# Altium PCB PCB2.PcbDoc (part 1 of 2)
Units mil, origin at the board's own origin, x right, y up, seen from the top; angles counter-clockwise.
Board outline 3044 x 3575 mil, 4 copper layers (Top Layer, second layer, Third layer, Bottom Layer), stack 31.458 mil thick; 117 components, 89 nets, 382 pads, 292 vias.
Unrouted connection lines stored in the file: 1.
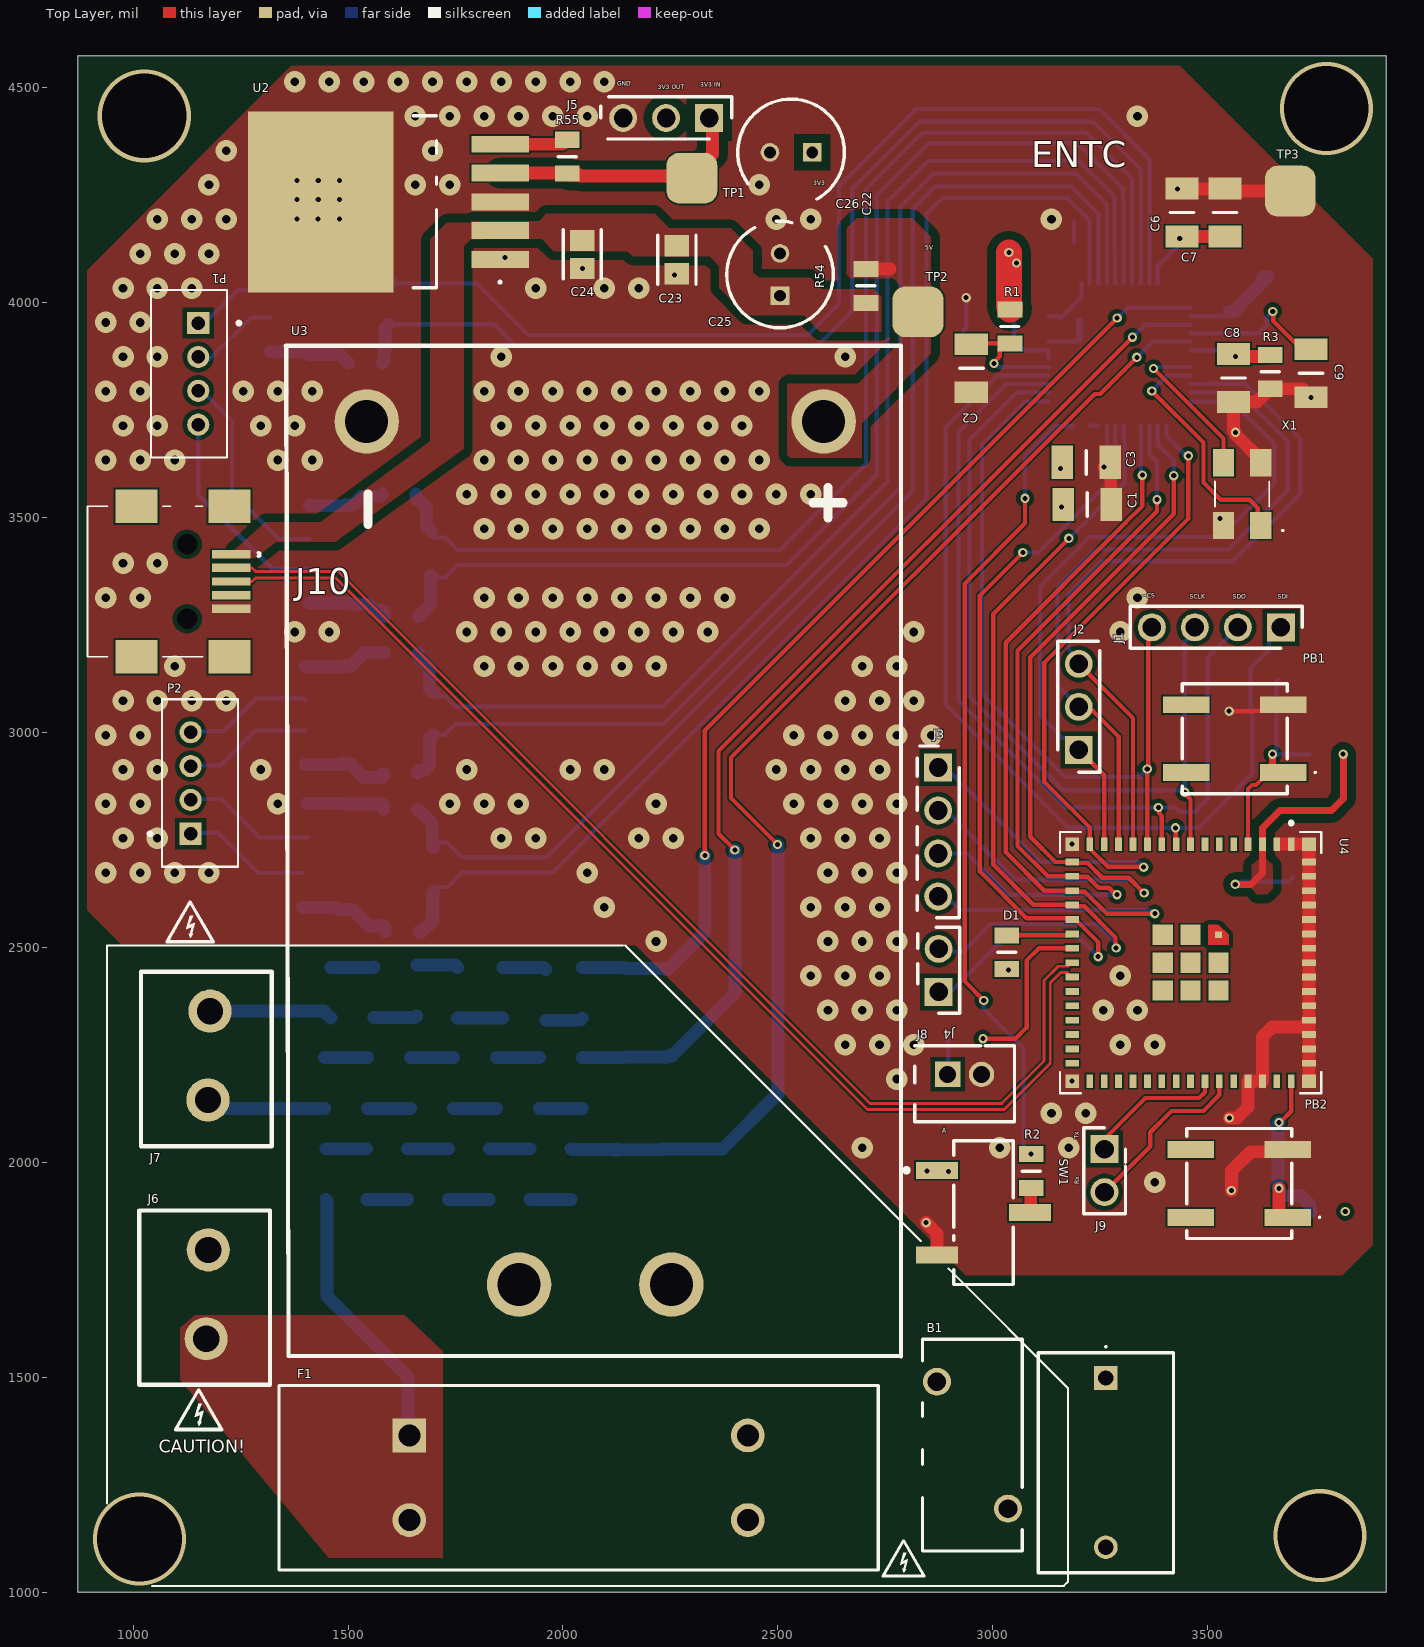
[diagram p0: Top Layer view]
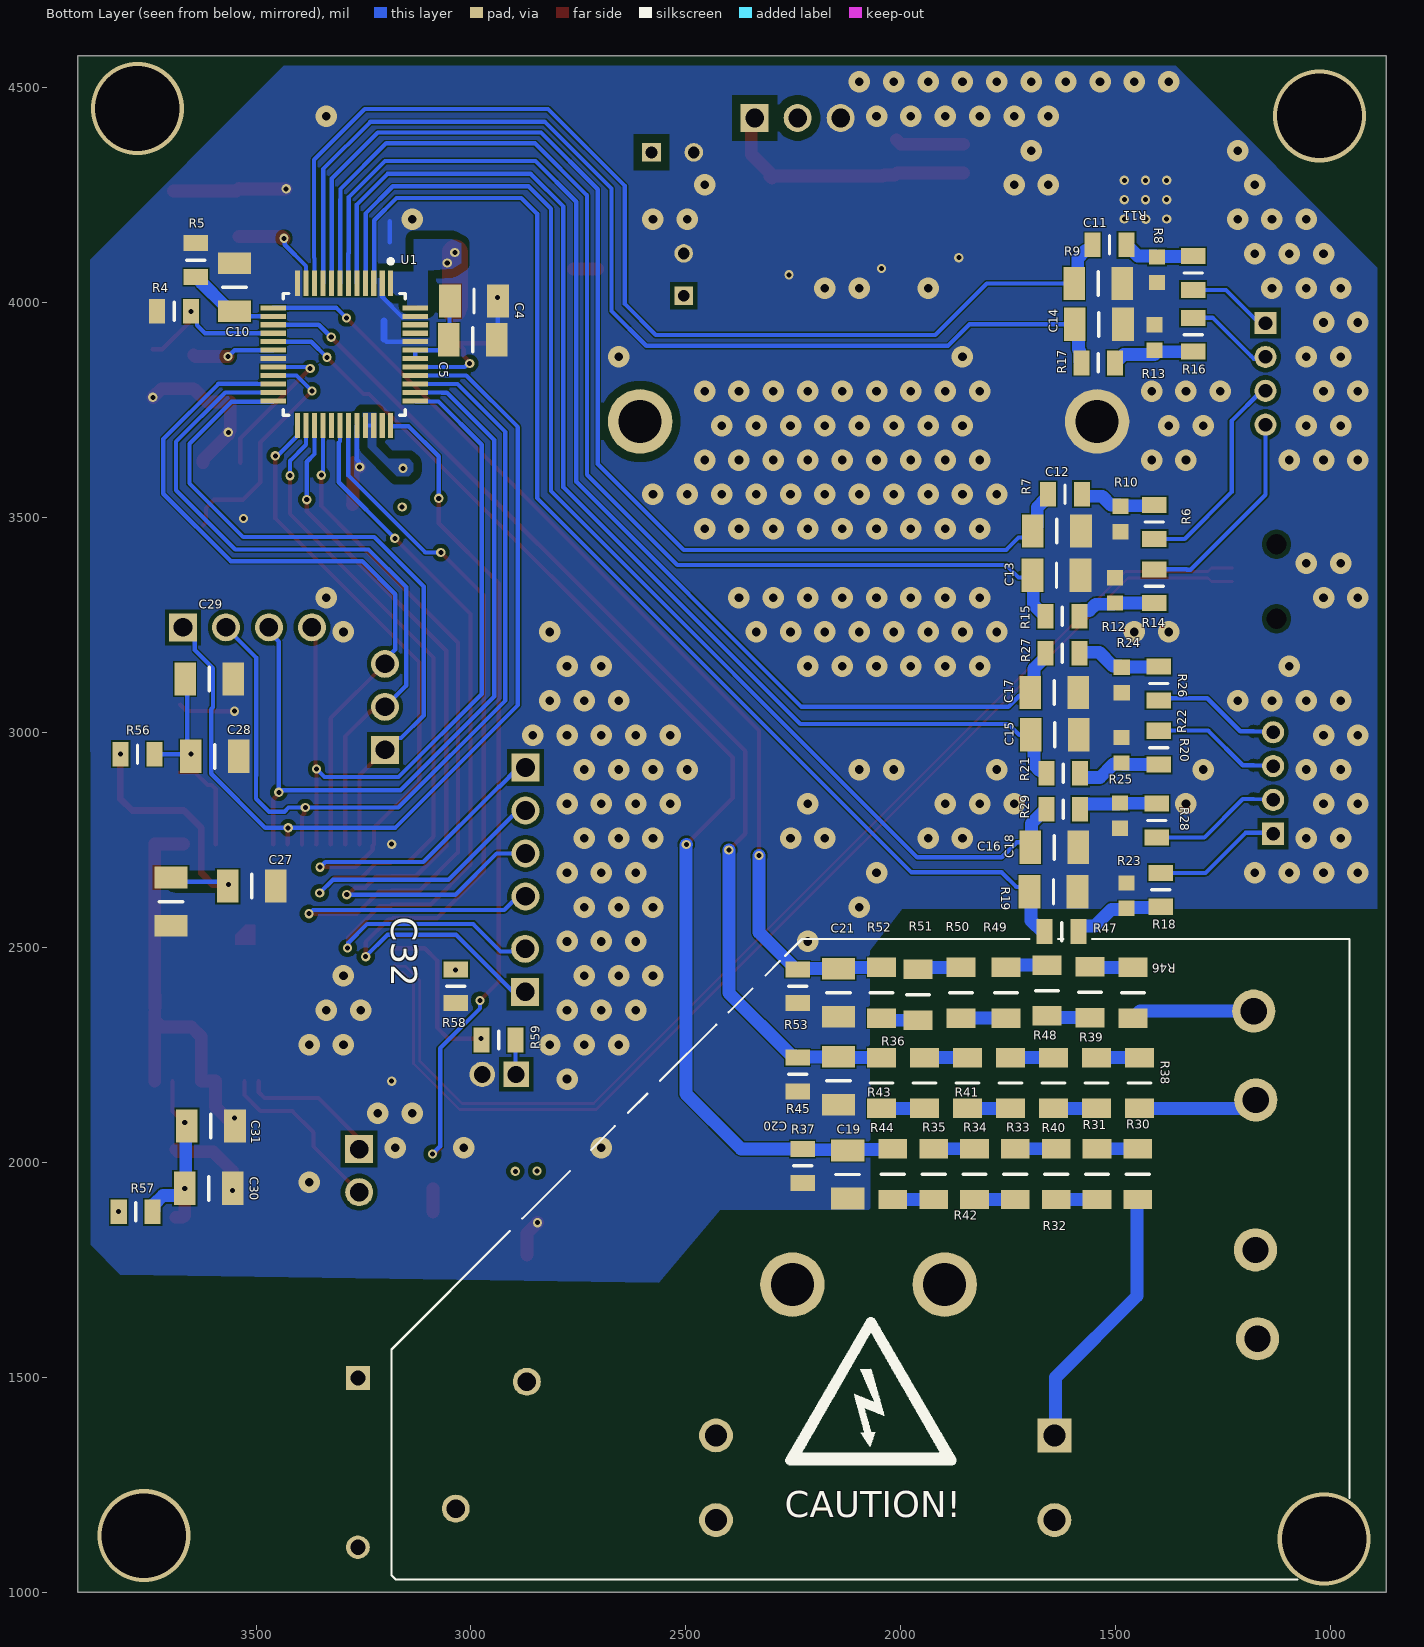
[diagram p1: Bottom Layer view, seen from below]
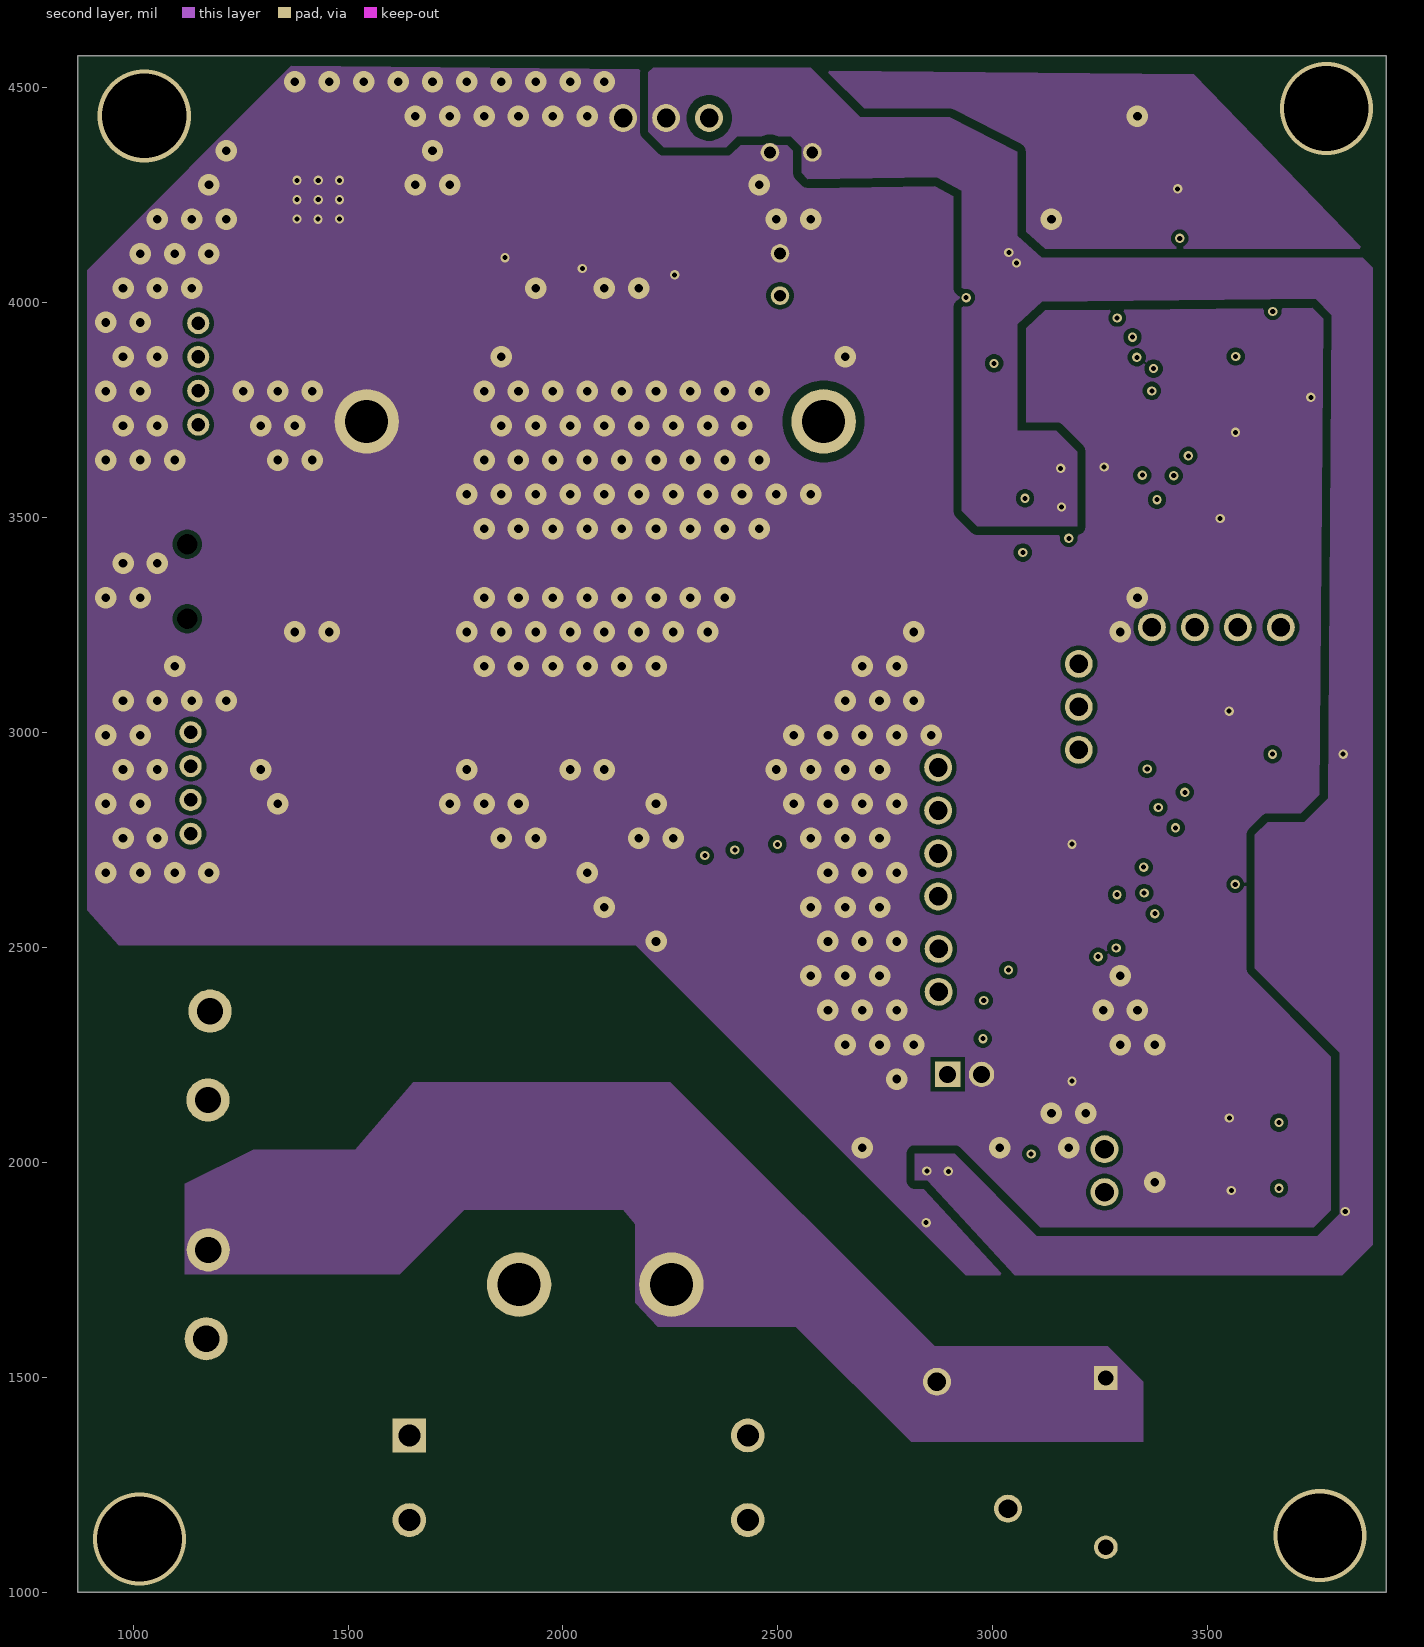
[diagram p2: second layer]
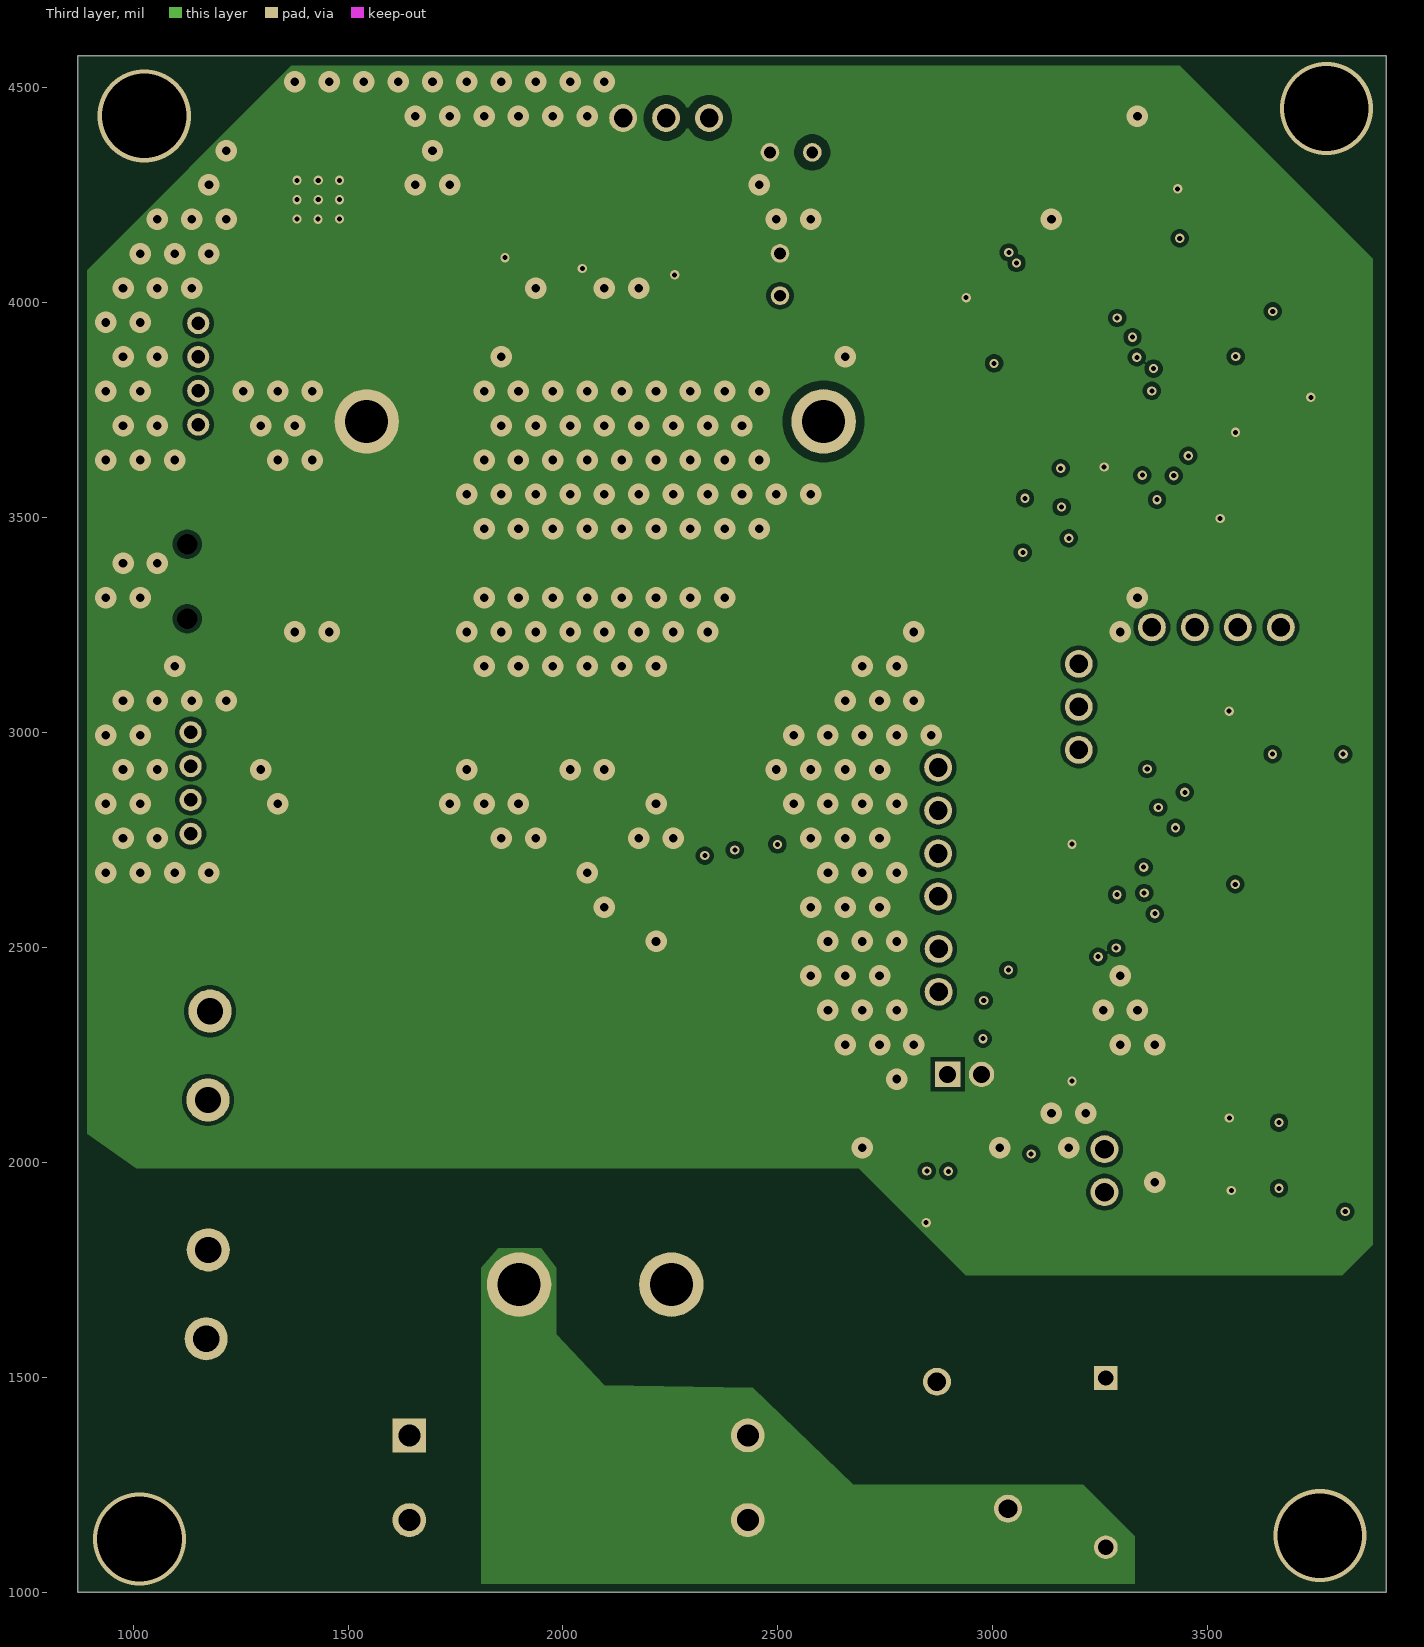
[diagram p3: Third layer]
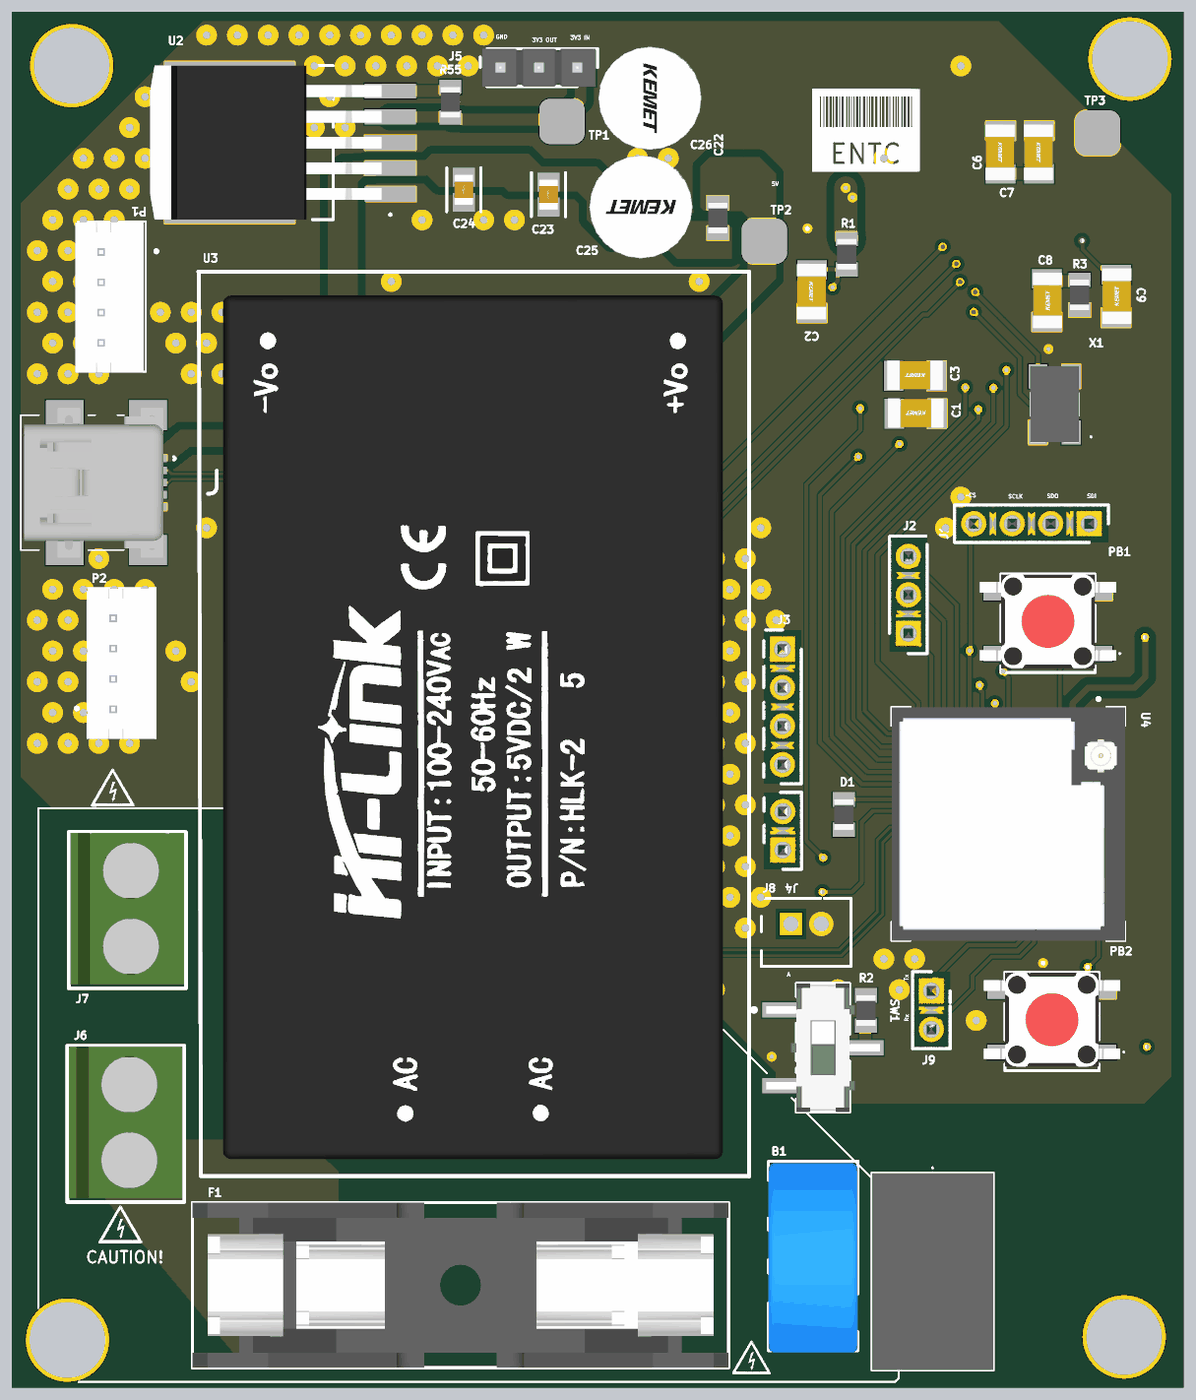
[diagram p5: 3D render of the assembled board from above, using the file's embedded part models]
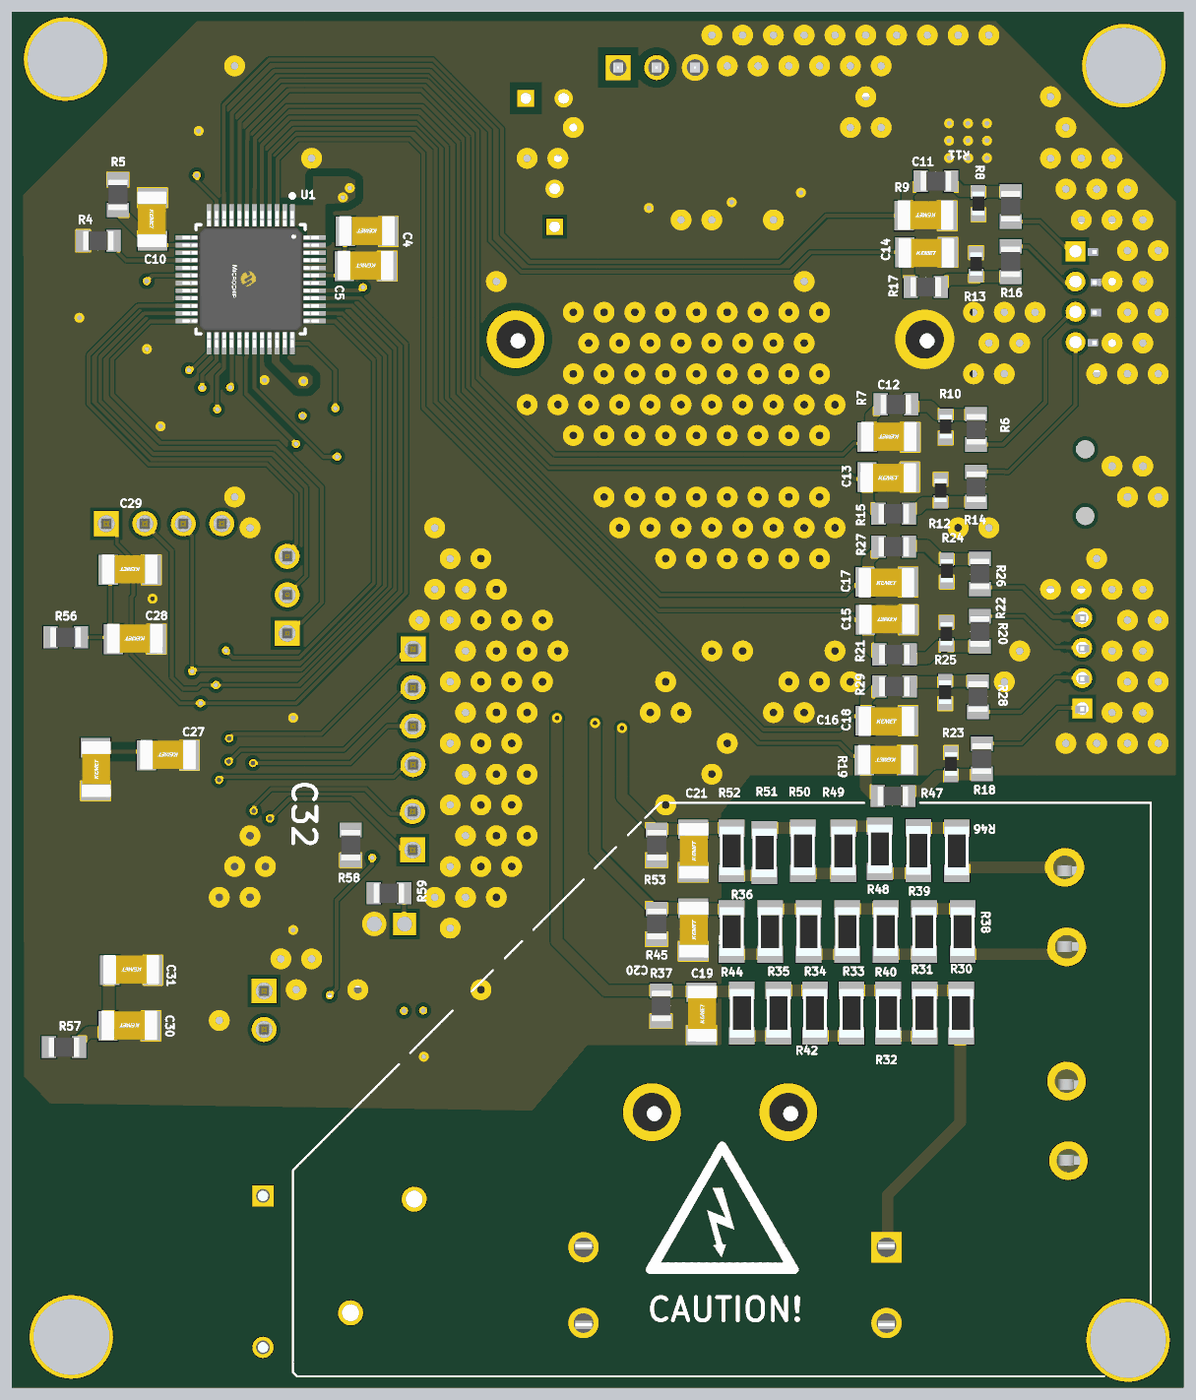
[diagram p6: 3D render of the assembled board from below, using the file's embedded part models]

## Layer stack, top to bottom
Top Solder: solder mask 0.5, Solder Resist, Dk 3.8
Top Layer: signal copper 1.378
Dielectric 1: prepreg 3.913, 3313, Dk 4.1
second layer: signal copper 0.598
Core: core 19.68, 0.55mm H/Hwithout copper, Dk 4.6
Third layer: signal copper 0.598
Dielectric 2: prepreg 3.913, 3313, Dk 4.1
Bottom Layer: signal copper 1.378
Bottom Solder: solder mask 0.5, Solder Resist, Dk 3.8

## Board outline
871,1000 3915,1000 3915,4575 871,4575
